# KiCad board 4-ch-backplane.kicad_pcb (continued)
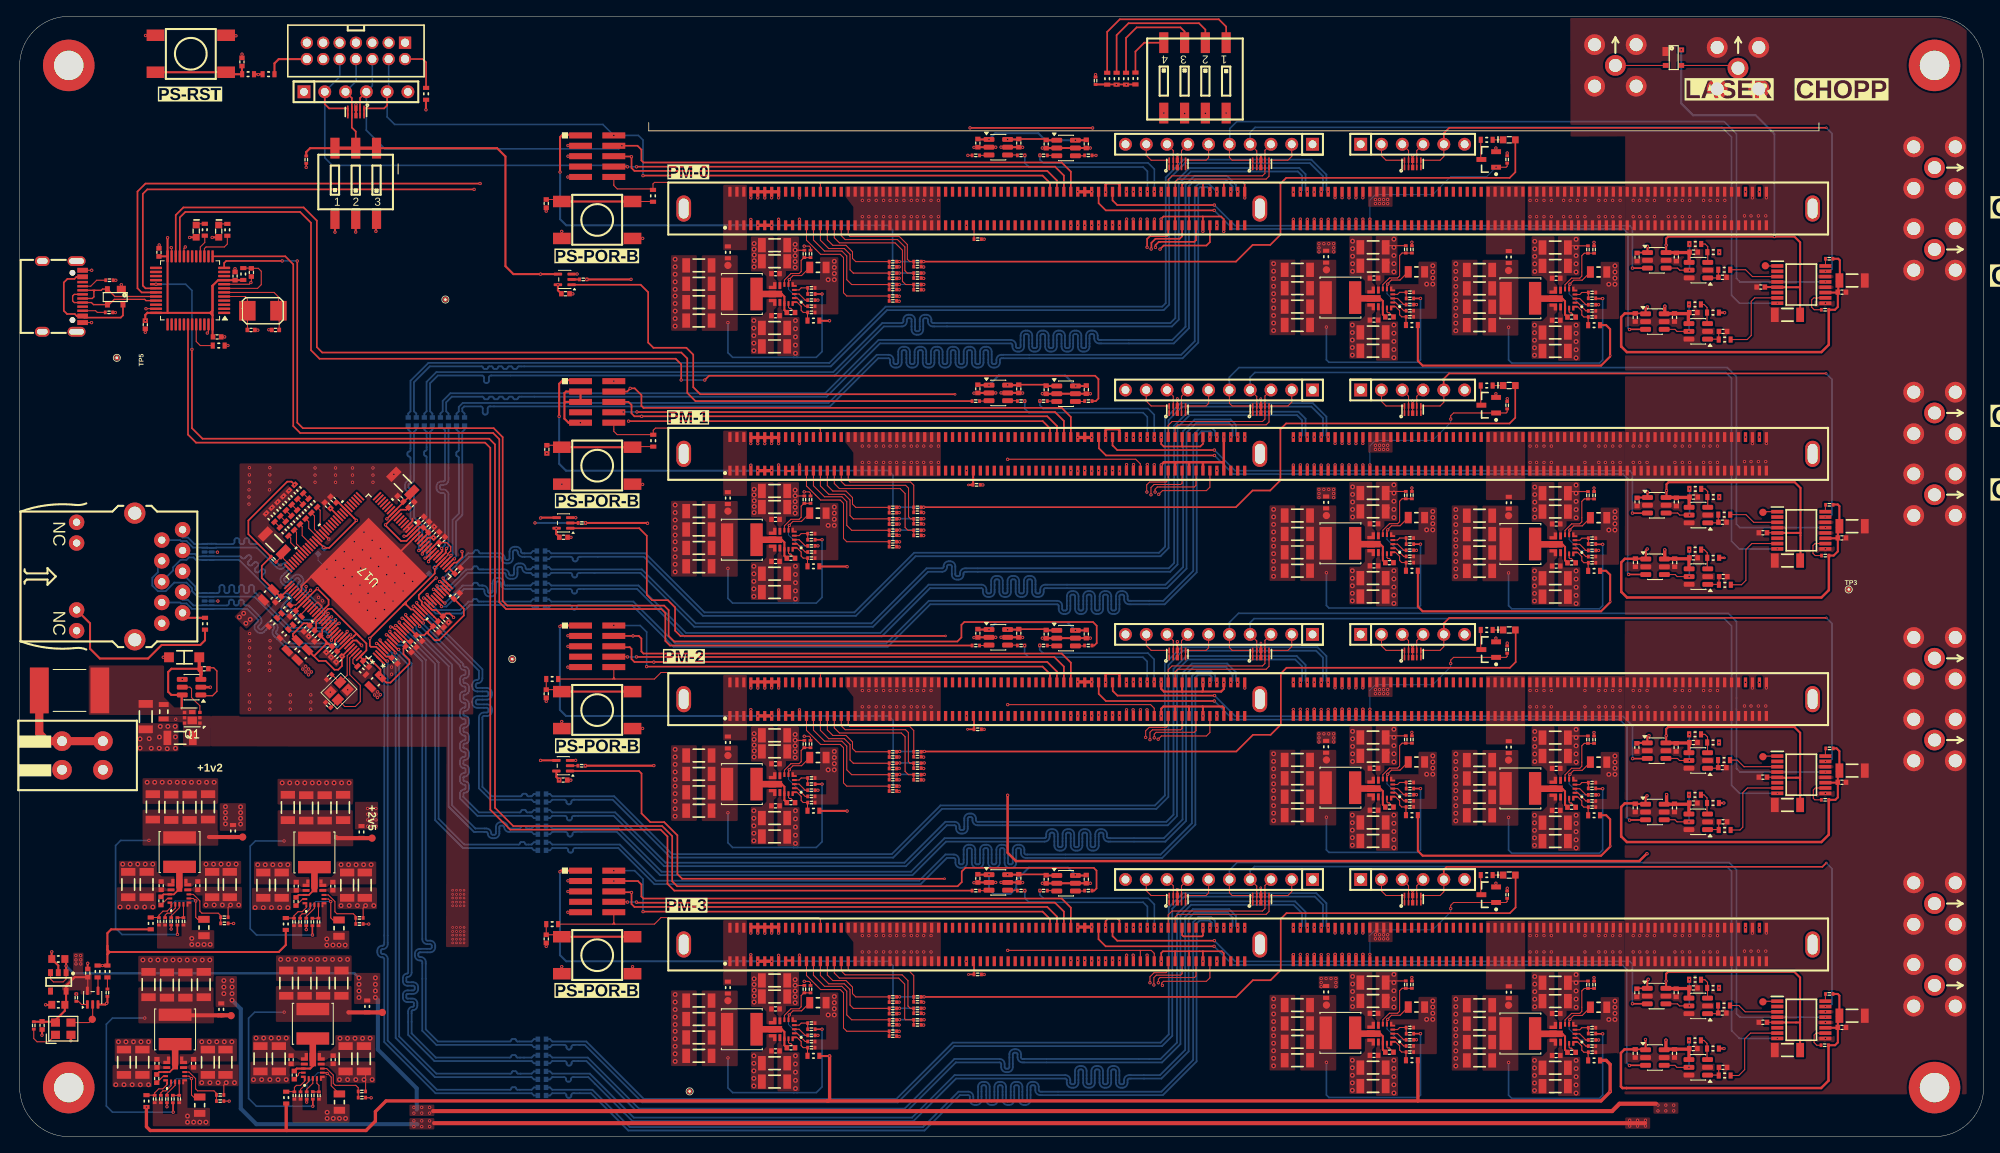
[diagram p0: board, top side]
## Routing (per net, layer and track width the routed paths; a pad name or vN(x,y) marks a point on that pad's centre or on a via; arc(x,y) is an arc through that point) (continued)
/TOP_LEVEL_IO/SPEEDY_PM__INST/PWR/TPS543620_BUCK_2V4/MODE: length 2.1
  Top Layer w0.12: R69.2 169.14,101.01 168.14,102.01 U19.2
/TOP_LEVEL_IO/SPEEDY_PM__INST/PWR/TPS543620_BUCK_5V0_CONN/FB: length 2.5
  Top Layer w0.12: R59.1 R62.2 95.5,103.8 95.25,103.55 U21.4
/TOP_LEVEL_IO/SPEEDY_PM__INST/PWR/TPS543620_BUCK_5V0_CONN/L+: length 5.8
  Top Layer w0.25: C92.1 93.45,101.08 U21.13 93.45,102.72 93.13,103.05 U21.10
  Top Layer w0.8: U21.10 89.8,103.05
/TOP_LEVEL_IO/SPEEDY_PM__INST/PWR/TPS543620_BUCK_5V0_CONN/L-: length 23.6
  Top Layer w0.2: R59.2 v1(98.05,103.05)
  Bottom Layer w0.2: v1(86.55,99.55) 86.55,95.87 87.12,95.3 94.59,95.3 94.59,95.3 95.01,95.3 95.01,95.3 97.35,95.3 98.05,96 v1(98.05,103.05)
/TOP_LEVEL_IO/SPEEDY_PM__INST/PWR/TPS543620_BUCK_5V0_CONN/MODE: length 2.1
  Top Layer w0.12: U21.2 95,102.55 96,101.55 R88.2
/TOP_LEVEL_IO/SPEEDY_PM__INST/PWR/TPS543620_BUCK_5V0_PGA/FB: length 2.5
  Top Layer w0.12: U20.4 190.65,102.98 190.9,103.24 R61.2 191.7,102.49
/TOP_LEVEL_IO/SPEEDY_PM__INST/PWR/TPS543620_BUCK_5V0_PGA/L+: length 5.8
  Top Layer w0.25: U20.10 188.52,102.49 188.85,102.16 U20.13 188.85,100.52 C80.1
  Top Layer w0.8: U20.10 185.2,102.49
/TOP_LEVEL_IO/SPEEDY_PM__INST/PWR/TPS543620_BUCK_5V0_PGA/L-: length 24.2
  Top Layer w0.2: 192.6,102.49 v1(193.45,102.49)
  Bottom Layer w0.2: v1(193.45,102.49) 193.45,94.99 193.06,94.6 182.33,94.6 181.95,94.99 v1(181.95,98.99)
/TOP_LEVEL_IO/SPEEDY_PM__INST/PWR/TPS543620_BUCK_5V0_PGA/MODE: length 2.1
  Top Layer w0.12: R76.2 191.4,100.99 190.4,101.99 U20.2
/TOP_LEVEL_IO/SPEEDY_PM__INST/SPI_CS/MIO1: length 13.7
  Top Layer w0.12: J7.14 97.85,109.63 98.88,108.6 100.78,108.6 101.47,107.9 101.47,106 101.88,105.6 101.88,105.6 R272.1 R273.1
/TOP_LEVEL_IO/SPEEDY_PM__INST/SPI_DQ0/BOOT_MODE[3]/MIO2: length 11.6
  Top Layer w0.12: R248.1 R244.1 102.17,107 101.78,107.4 101.78,108.2 100.97,109 99.38,109 98.7,109.68 J7.15
/TOP_LEVEL_IO/SPEEDY_PM__INST/SPI_DQ1/BOOT_MODE[1]/MIO3: length 15.6
  Top Layer w0.12: R271.1 R270.1 101.67,104.2 101.07,104.8 101.07,107.7 100.47,108.3 98.35,108.3 97,109.65 J7.13
/TOP_LEVEL_IO/SPEEDY_PM__INST/SPI_DQ2/BOOT_MODE[2]/MIO4: length 18
  Top Layer w0.12: J7.12 96.15,109.7 ; R269.1 R268.1 101.07,102.8 100.68,103.2 100.68,107.5 100.28,107.9 97.88,107.9 97.28,108.5 96.15,109.62 ; 96.15,109.62 96.15,109.63 96.15,109.7 ; 96.15,109.62 96.15,109.7
/TOP_LEVEL_IO/SPEEDY_PM__INST/SPI_DQ3/BOOT_MODE[0]/MIO5: length 14.3
  Top Layer w0.12: J7.17 100.4,110.18 100.88,109.7 107.28,109.7 108.18,108.8 108.18,105.9 108.47,105.6 R260.1 R261.1
/TOP_LEVEL_IO/SPEEDY_PM__INST/SPI_SCK/BOOT_MODE[4]/MIO6: length 16.5
  Top Layer w0.12: J7.16 99.55,109.93 100.18,109.3 106.97,109.3 107.88,108.4 107.88,104.6 108.27,104.2 R252.1 R253.1
/TOP_LEVEL_IO/SPEEDY_PM__INST/SPI_SCLK_FB/VMODE[1]/MIO8: length 12.2
  Top Layer w0.12: J7.18 101.25,110.33 101.47,110.1 107.47,110.1 108.47,109.1 108.47,107.3 108.77,107 R292.1 R293.1
/TOP_LEVEL_IO/SPEEDY_PM__INST/TRIGGER_IN_0: length 20.9
  Top Layer w0.12: J16.9 137.67,120 138.27,119.4 D6.10 D6.1
  In1.Cu w0.2: v1(129.3,111.45) 129.3,112.32 129.82,112.85 131.78,112.85 132.22,113.3 132.22,117.3 134.78,119.85 136.7,119.85 137.67,120.82 J16.9
/TOP_LEVEL_IO/SPEEDY_PM__INST/TRIGGER_IN_1: length 20
  Top Layer w0.12: D6.2 D6.9 140.98,120.59 J16.8
  In1.Cu w0.2: v1(131,111.45) 131,112.1 131.3,112.4 132.43,112.4 133.2,113.17 133.2,117.42 135.05,119.27 139.3,119.27 140.21,120.19 J16.8
/TOP_LEVEL_IO/SPEEDY_PM__INST/TRIGGER_OUT_0: length 21.3
  Top Layer w0.12: J16.7 141.98,120.58 D6.7 D6.4
  In1.Cu w0.2: v1(132.7,111.45) 132.7,111.75 133.97,113.02 133.97,117.4 135.38,118.8 142.2,118.8 142.75,119.35 J16.7
  Bottom Layer w0.12: 142.77,121.33 J16.7
/TOP_LEVEL_IO/SPEEDY_PM__INST/TRIGGER_OUT_1: length 25.1
  Top Layer w0.12: D6.5 D6.6 144.98,119.4 145.29,119.72 J16.6 ; 134.41,111.46 v1(134.4,111.45)
  In1.Cu w0.2: v1(134.4,111.45) 134.4,117.2 135.47,118.27 144.35,118.27 145.29,119.22 J16.6
/TOP_LEVEL_IO/SPEEDY_PM__INST/TTC0_IN: length 19.4
  Top Layer w0.12: J16.2 155.45,119.88 154.98,119.4 D5.6 D5.5 152.68,117.45 152.32,117.1 141.52,117.1 141.2,116.78 J7.209
/TOP_LEVEL_IO/SPEEDY_PM__INST/TTC0_OUT: length 17.5
  Top Layer w0.12: J7.208 140.35,117.02 140.82,117.5 151.88,117.5 152.18,117.8 D5.4 D5.7 152.18,120.62 J16.3
/TOP_LEVEL_IO/SPEEDY_PM__INST/UART_LS/RX_OUT: length 17.7
  Bottom Layer w0.2: v1(138.66,115.57) 138.66,118.32 137.9,119.07 125.09,119.07 124.69,119.47 v1(124.69,120.02)
/TOP_LEVEL_IO/SPEEDY_PM__INST/UART_LS/TX_IN: length 18.8
  Top Layer w0.12: 122.84,120.02 v1(122.84,119.99)
  Bottom Layer w0.2: v1(122.84,119.99) 122.84,119.07 123.34,118.57 137.29,118.57 137.81,118.05 v1(137.81,115.57)
/TOP_LEVEL_IO/TCK: length 378.4
  Top Layer w0.2: 128.46,25.55 128.46,28 127.34,29.12 76.23,29.12 75.98,29.37 75.98,30.83 75.56,31.26 v1(72.61,31.26) 72.68,31.18 ; 128.46,55.51 128.46,57.96 127.34,59.08 76.23,59.08 75.98,59.33 75.98,60.92 75.66,61.23 v1(74.96,61.23) J37.4 ; 128.45,85.55 128.45,88 127.34,89.12 76.23,89.12 75.98,89.37 75.98,90.69 75.16,91.51 v1(74.6,91.51) 74.6,91.48 74.25,91.12 J15.4 ; D4.9 D4.2 41.59,127 J24.4 ; v1(73.59,121.18) 75.5,121.18 75.98,120.7 75.98,119.38 76.23,119.13 127.34,119.13 128.45,118.01 128.45,115.56 ; 73.61,61.13 73.6,61.14
  In1.Cu w0.25: v1(72.61,31.26) 74.44,31.26 74.44,31.26 74.95,31.78 74.95,61.23 v1(74.96,61.23) 74.96,91.16 v1(74.6,91.51) 74.6,91.54 73.57,92.57 73.57,121.16 v1(73.59,121.18)
  Bottom Layer w0.2: J2.6 43.09,128.5 J24.4 42.37,123.07 44.63,120.8 73.22,120.8 73.59,121.17
/TOP_LEVEL_IO/TDI_0: length 113.1
  Top Layer w0.12: 74.25,118.63 v1(74.28,118.6)
  Top Layer w0.2: 75.38,118.61 75.39,118.62 126.52,118.62 127.6,117.54 127.6,115.56 ; J24.2 37.28,126.28 37.81,125.75 D4.5 D4.6 ; J13.8 74.25,118.63
  Bottom Layer w0.2: J2.10 39.12,131.75 39.12,129.6 J24.2 37.28,119.71 38.22,118.78 74.1,118.78 v1(74.28,118.6) v1(75.38,118.6)
/TOP_LEVEL_IO/TDI_1: length 184.7
  Top Layer w0.12: J15.8 73.69,88.58 73.72,88.62 v1(73.76,88.62)
  Top Layer w0.2: 75.38,88.6 75.39,88.61 126.52,88.61 127.6,87.53 127.6,85.55 ; 126.75,115.55 126.75,116.92 125.58,118.1 75.13,118.1 74.77,118.46 74.77,119.83 74.74,119.86 72.61,119.86
  Top Layer w0.25: v1(69.32,104.83) 74.71,104.83 v1(74.72,104.84) ; v1(43.53,110.71) 43.53,112.2 43.61,112.27
  In1.Cu w0.12: 74.72,119.83 74.73,119.82 ; 74.73,104.86 v1(74.72,104.84)
  In1.Cu w0.25: v1(43.53,110.71) 43.53,107.06 43.91,106.68 68.74,106.68 68.75,106.69 69.32,106.12 v1(69.32,104.83) ; 74.73,119.82 74.73,104.86 ; v1(75.44,88.62) 75.44,104.12 v1(74.72,104.84)
  Bottom Layer w0.2: v1(73.76,88.62) v1(75.44,88.62)
  vias: v1(74.76,119.83)
/TOP_LEVEL_IO/TDI_2: length 216.6
  Top Layer w0.12: v1(74.28,58.66) 74.25,58.69 J37.8
  Top Layer w0.2: J15.6 74.4,89.85 74.77,89.48 74.77,88.45 75.13,88.09 v1(76.01,88.09) 125.58,88.09 126.75,86.91 126.75,85.54 ; 127.6,55.51 127.6,57.49 126.43,58.66 75.48,58.66
  Top Layer w0.25: v1(76.72,75.01) 76.69,75.05 v1(69.16,75.05) ; v1(41.06,110.62) 41.06,112.27 J1.3
  In1.Cu w0.25: v1(62.97,75.05) 62.97,75.74 62.97,75.75 62.97,104.37 61.38,105.95 42.51,105.95 41.09,107.37 41.09,110.59 v1(41.06,110.62) ; v1(75.38,58.66) 76.15,58.66 76.72,59.24 v1(76.72,75.01) 76.72,87.38 v1(76.01,88.09)
  Bottom Layer w0.2: v1(74.28,58.66) v1(75.38,58.66)
  Bottom Layer w0.25: v1(62.97,75.05) v1(69.16,75.05)
/TOP_LEVEL_IO/TDI_3: length 249.4
  Top Layer w0.12: v1(74.28,28.69) 74.25,28.72 J40.8
  Top Layer w0.2: 75.38,28.6 75.39,28.61 126.52,28.61 127.6,27.53 127.6,25.55 ; 126.75,55.5 126.75,56.87 125.58,58.05 75.13,58.05 74.77,58.41 74.77,59.65 74.57,59.85 72.61,59.85
  Top Layer w0.25: J1.1 38.53,112.27 v1(38.53,110.61) ; v1(77.5,45.38) 77.49,45.36 v1(69.12,45.36)
  In1.Cu w0.12: v1(77.5,45.38) 77.5,45.39
  In1.Cu w0.25: v1(38.53,110.61) 38.53,106.8 40.35,104.98 60.94,104.98 62.31,103.61 62.31,46.18 62.31,46.17 63.12,45.36 v1(69.12,45.36) ; v1(77.5,45.38) 77.5,29.7 76.49,28.69 v1(75.38,28.69) ; 77.5,45.39 v1(77.5,58.03)
  Bottom Layer w0.2: v1(74.28,28.69) v1(75.38,28.69)
/TOP_LEVEL_IO/TDO_3: length 184.2
  Top Layer w0.2: 126.75,25.54 126.75,26.91 125.58,28.09 75.13,28.09 74.77,28.45 v1(74.77,29.86) 74.77,29.89 72.61,29.89 ; 35.03,119.06 35.01,119.04 v1(35.01,118.53)
  In1.Cu w0.25: v1(35.01,118.53) 34.99,118.5 34.99,105.38 36.38,103.99 60.31,103.99 61.04,103.25 61.04,40.75 61.56,40.24 67.64,40.24 68.54,39.34 68.54,30.45 69.13,29.86 v1(74.77,29.86)
/TOP_LEVEL_IO/TDO_JTAG: length 121.3
  Top Layer w0.12: 65.62,46.04 U41.4
  Top Layer w0.2: J1.4 41.07,122.92 40.59,123.4 D4.7 D4.4 40.59,127 J24.3
  Top Layer w0.25: 43.61,120.88 58.34,120.88 59.37,119.86 59.37,106.45 60.34,105.48 v1(63.66,105.48) U39.4 ; U40.4 63.71,75.7 v1(63.66,75.65) ; v1(63.66,46.01) 63.66,46.02 65.59,46.02 ; J1.2 35.49,120.88 35,120.39 35.03,120.38 R321.2
  Top Layer w0.4: 43.61,121.18 43.31,120.88 38.83,120.88 38.53,121.18
  In1.Cu w0.25: v1(63.66,46.01) v1(63.66,105.48)
  Bottom Layer w0.2: J24.3 41.12,129.06 41.12,131.75 J2.8
/TOP_LEVEL_IO/TMS: length 364.8
  Top Layer w0.12: v1(72.61,62.53) J37.2
  Top Layer w0.2: 125.91,55.51 125.91,56.57 125,57.48 v1(76.62,57.48) ; 76.16,117.53 125,117.53 125.91,116.62 125.91,115.56 ; J24.5 44.91,126.11 44.54,125.75 D4.1 D4.10 ; v1(74.41,87.5) 125.02,87.5 125.91,86.61 125.91,85.55 ; 125.91,25.55 125.91,26.61 125,27.52 v1(76.18,27.52)
  In1.Cu w0.12: 72.61,92.48 72.59,92.47 72.61,92.46 v1(72.61,92.39) ; v1(72.61,62.53) 72.65,62.49
  In1.Cu w0.2: 72.61,87.51 72.62,87.5 72.93,87.5 ; 72.61,87.17 72.93,87.49 72.93,87.5 ; 72.93,87.5 72.93,87.51 72.61,87.83 ; 72.93,87.5 v1(74.41,87.5)
  In1.Cu w0.25: v1(72.61,32.53) v1(72.61,62.53) v1(72.61,92.39) ; v1(72.61,122.44) 72.61,92.48
  Bottom Layer w0.2: v1(72.61,62.53) 72.63,62.5 75.84,62.5 76.62,61.71 76.62,57.49 v1(76.62,57.48) ; J2.4 45.09,127.96 J24.5 44.91,124.7 45.82,123.78 71.27,123.78 v1(72.61,122.44) 75.6,122.44 76.18,121.87 v1(76.18,117.52) ; v1(76.18,27.52) 76.18,27.52 76.18,31.5 75.15,32.53 v1(72.61,32.53)
/TOP_LEVEL_IO/TXD_OUT_0: length 142.3
  Top Layer w0.12: v1(131.53,119.99) 131.51,120 R304.1 ; v1(131.12,123.35) 131.1,123.36
  Top Layer w0.2: U42.30 15.38,103.74 15.05,104.07 15.05,115.29 15.6,115.84 v1(55.53,115.84) ; 131.1,123.36 v1(116.13,123.36)
  In1.Cu w0.2: v1(55.53,115.84) 55.53,123.31 57.1,124.88 79.56,124.88 80.38,124.06 80.38,123.63 80.66,123.36 v1(116.13,123.36)
  In1.Cu w0.25: v1(131.53,119.99) 131.53,122.81 131.12,123.22 v1(131.12,123.35)
/TOP_LEVEL_IO/TXD_OUT_1: length 139.9
  Top Layer w0.12: v1(80.84,92.53) 80.84,92.66 80.82,92.68
  Top Layer w0.2: v1(80.84,92.53) 80.84,94.45 80.16,95.13 36.65,95.13 35.6,96.17 35.6,111.75 34.28,113.08 20.25,113.08 19.57,112.41 U42.21 ; v1(83.72,92.52) 84.25,93.05 131.43,93.05 131.84,92.64 131.82,92.63 131.82,90.27 131.5,89.95 R309.1
  Bottom Layer w0.2: v1(80.84,92.53) 82.6,92.53 82.62,92.52 v1(83.72,92.52)
/TOP_LEVEL_IO/TXD_OUT_2: length 156.7
  Top Layer w0.2: v1(33.93,107.08) 33.93,87.32 34.6,86.64 57.93,86.64 59.03,85.54 59.03,65.51 59.59,64.94 78.75,64.94 79.31,64.39 79.31,61.23 79.99,60.55 114.59,60.55 115.09,61.05 115.09,62.58 115.44,62.93 131.16,62.93 131.62,62.48 131.62,60.36 131.32,60.06 R313.1 ; U42.12 24.99,106.83 25.25,107.09 v1(32.09,107.09)
  Bottom Layer w0.12: 33.91,107.1 v1(33.93,107.08)
  Bottom Layer w0.2: 32.09,107.1 33.91,107.1
/TOP_LEVEL_IO/TXD_OUT_3: length 189.2
  Top Layer w0.12: U42.29 v1(16.66,104.24)
  Top Layer w0.2: v1(21.06,96.27) 21.06,86.64 22.34,85.35 57.38,85.35 58.09,84.65 58.09,40.22 60.32,37.98 78.51,37.98 79.75,36.75 79.75,31.22 80.34,30.62 114.62,30.62 115.12,31.13 115.12,32.43 115.56,32.87 131.25,32.87 131.59,32.53 131.59,30.36 131.32,30.09 R317.1
  Bottom Layer w0.2: v1(16.66,104.24) 20.28,104.24 21.06,103.47 v1(21.06,96.27)
Net-(C154-1-Pad2): length 11.7
  Top Layer w0.25: SW8.B SW8.B 25.47,129.93 R45.2 27.16,129.95 C154.2
Net-(C168-1-Pad2): length 63.4
  Top Layer w0.12: U17.3 44.2,59.26
  Top Layer w0.15: U17.36 52.34,71.13 52.34,71.28 52.68,71.61 52.68,72.15 52.18,72.65 C168.2
  Top Layer w0.2: 35.92,58.8 35.76,58.95 FB2.2 ; 35.92,58.8 36,58.8 37.44,60.24 ; 35.92,58.8 35.93,58.8 36.55,58.17 37.4,58.17 38.47,57.1 38.93,57.1 39.39,57.56 C174.2 v1(39.39,58.75) 40.46,59.82 U17.124 ; 49.86,61.59 49.71,61.59 ; 49.86,61.59 49.91,61.54 ; 49.86,61.59 49.86,61.74 ; 49.71,61.59 49.79,61.66 ; 49.71,61.59 49.44,61.32 C176.2 ; U17.114 36.98,62 36.98,61.98 36.97,61.97 36.97,61.53 C177.2 ; 51.93,66.89 U17.30 51.88,66.89 53,65.77 C178.2 53.08,65.77 54.28,64.57 54.28,63.72 51.25,60.7 50.82,60.7 ; C177.2 37.77,60.24 ; C177.2 37.44,60.57 37.44,60.24 ; 50.82,60.7 50.75,60.7 49.91,61.54 ; 50.82,60.7 50.72,60.7 ; 43.74,59.73 43.57,59.9 42.93,59.9 42.79,60.04 v1(42.79,60.94) 46.88,65.03 ; 49.91,61.54 49.79,61.66 ; 49.79,61.66 49.86,61.74 ; 37.44,60.24 37.77,60.24 ; 37.77,60.24 38.06,59.94 C175.2 38.52,60.3 38.53,60.7 39.05,61.22 U17.119 ; 47.21,65.09 47.21,65.36 ; 47.21,65.09 46.94,65.09 46.88,65.03 ; 47.21,65.09 47.83,64.47 48.08,64.47 U17.19 49.34,63.21 49.71,63.21 C173.2 50.52,62.4 49.86,61.74 ; 47.21,65.09 47.09,65.21 47.09,65.24 ; 47.21,65.36 47.09,65.24 ; 47.21,65.36 50.72,68.88 v1(50.72,69.6) 50.81,69.6 U17.36 ; 47.09,65.24 46.88,65.03 ; U17.3 44.8,58.7 45.32,58.7 C172.2 ; U17.41 51.02,72.65 C168.2 ; 48.24,61.5 47.38,62.37 U17.14
  In1.Cu w0.2: v1(42.79,60.94) 41.58,60.94 v1(39.39,58.75)
Net-(C170-1-Pad2): length 13.6
  Top Layer w0.12: SW6.B 77.36,114.36 77.4,114.32 ; 65.94,114.67 SW6.B 66.02,114.6 C170.2
  Top Layer w0.25: SW6.B SW6.B
Net-(C171-1-Pad2): length 13.6
  Top Layer w0.12: 65.94,84.62 SW7.B 66.02,84.55 C171.2 ; SW7.B 74.97,84.38 R4.1
  Top Layer w0.25: SW7.B SW7.B
Net-(C179-1-Pad2): length 76.6
  Top Layer w0.12: 47.52,60.51 47.61,60.51 ; U17.104 34.81,65.48 ; U17.23 49.81,64.91 ; 38.68,77.59 C184.2
  Top Layer w0.2: v1(45.32,62.32) 45.56,62.32 45.79,62.09 45.93,62.09 U17.11 47.47,60.55 C183.2 ; U17.84 36.29,72.94 37.22,72 ; 37.22,72 v1(37.18,72.05) ; 37.22,72 37.82,72 41.14,75.32 v1(41.14,75.37) 40.86,75.66 40.85,75.66 U17.71 38.96,77.55 C184.2 ; U17.104 36.33,67 36.38,67 v1(36.39,67.01) 36.39,66.99 36.35,66.95 36.45,66.95 37.75,65.65 37.75,65.05 36.5,63.8 U17.110 35.92,63.2 35.92,63 35.43,62.51 C180.2 35.42,62.48 35.12,62.78 34.7,62.78 33.4,61.47 33.4,61.21 FB3.2 ; C185.2 49.35,74.5 C179.2 48.91,74.5 U17.48 47.27,72.85 46.6,72.85 44.68,74.78 44.68,74.78 v1(44.71,74.82) U17.56 46.56,76.67 47.26,76.67 C182.2 ; v1(53.03,63.5) 52.55,63.97 52.09,63.97 C186.2 50.93,64.4 50.43,64.4 49.91,64.91 U17.23 ; 49.1,72.99 50,73.89 ; 33.68,64.36 34.77,65.44
  In1.Cu w0.2: v1(41.14,75.37) 42,76.22 43.3,76.22 v1(44.71,74.82) ; v1(53.03,63.5) 52.55,63.97 51.5,63.97 48.03,60.5 47.15,60.5 v1(45.32,62.32) 45,62.65 44.22,62.65 42.96,61.39 42.01,61.39 34.6,68.8 34.6,69.47 v1(37.18,72.05)
Net-(C188-1-Pad2): length 74.2
  Top Layer w0.12: 49.62,64.61 U17.22 ; 41.72,58.2 41.87,58.05
  Top Layer w0.2: U17.44 49.93,73.25 v1(50.57,73.25) ; C193.2 51.12,63.1 50.64,63.59 50.37,63.85 ; U17.10 47.17,60.29 C194.2 46.9,59.68 46.9,59.03 47.62,58.3 47.62,57.82 45.32,55.53 44.81,55.53 v1(44.09,56.24) 44.09,57.13 42.72,58.5 42.32,58.5 C189.2 41.97,58.31 U17.128 42.38,59.47 42.38,60.3 38.12,64.55 37.69,64.55 37.26,64.12 37.26,63.97 U17.111 36.22,62.94 36.22,62.07 C190.2 ; 50.37,63.85 49.14,65.08 49.14,65.43 48.78,65.8 48.78,66.22 50.88,68.32 v1(50.9,68.32) ; 50.37,63.85 49.62,64.61 ; 39.9,60.37 U17.122 40.47,60.96 40.61,60.96 40.85,61.19 40.85,61.2 41.16,61.51 41.53,61.15 ; v1(54.05,71.55) 54.1,71.5 54.1,70.9 53.4,70.2 53.1,70.2 52.45,69.55 U17.33 53.04,68.95 53.27,68.95 ; 39.83,60.33 38.82,59.32
  In1.Cu w0.2: 51.65,69.07 51.75,69.17 ; 51.65,69.07 51.65,69.05 51.75,68.95 ; 51.65,69.07 51.53,68.95 ; 51.75,69.17 52.63,70.05 53.1,70.05 54.05,71 v1(54.05,71.55) 51.57,74.03 51.35,74.03 v1(50.57,73.25) ; 51.75,69.17 51.75,68.95 ; 51.75,68.95 51.53,68.95 ; 51.75,68.95 55.39,65.31 55.39,64.69 46.22,55.53 44.81,55.53 v1(44.09,56.24) ; v1(50.9,68.32) 51.53,68.95
Net-(C222-1-Pad2): length 12.4
  Top Layer w0.12: R153.1 C222.2 66.02,54.66 SW11.B 65.94,54.74
  Top Layer w0.25: SW11.B SW11.B
Net-(C267-1-Pad2): length 12.4
  Top Layer w0.12: R191.1 64.35,25.99 C267.2 66.02,24.69 SW13.B 65.94,24.76
  Top Layer w0.25: SW13.B SW13.B
Net-(D14-PadC): length 1.3
  Top Layer w0.12: R26.2 D14.C
Net-(D15-PadC): length 1.3
  Top Layer w0.12: R27.2 D15.C
Net-(D18-PadC): length 1.3
  Top Layer w0.12: R151.2 D18.C
Net-(D21-PadC): length 1.3
  Top Layer w0.12: R189.2 D21.C
Net-(D34-PadC): length 1.1
  Top Layer w0.12: D34.C 24.46,111.62 R301.2
Net-(D35-PadC): length 1.1
  Top Layer w0.12: R302.2 21.72,111.63 D35.C
Net-(J6-VCC): length 3
  Top Layer w0.12: 20.51,63.45 J6.9
  Top Layer w0.25: R96.1 20.51,63.45
Net-(Q4-D): length 2.4
  Top Layer w0.12: 178.55,121.9 178.55,119.57 Q4.3
Net-(Q5-D): length 2.4
  Top Layer w0.12: 178.55,91.85 178.55,89.53 Q5.3
Net-(Q6-D): length 2.4
  Top Layer w0.12: Q6.3 178.55,59.64 178.55,61.96
Net-(Q7-D): length 2.4
  Top Layer w0.12: Q7.3 178.55,29.66 178.55,31.99
Net-(R68-Pad2): length 1.4
  Top Layer w0.12: R68.2 R71.1
Net-(R133-Pad2): length 0.8
  Top Layer w0.12: R141.1 R133.2
Net-(R134-Pad2): length 1
  Top Layer w0.12: R134.2 R142.1
Net-(R135-Pad2): length 1
  Top Layer w0.12: R135.2 R143.1
Net-(R136-Pad2): length 1
  Top Layer w0.12: R136.2 R144.1
Net-(R137-Pad2): length 1
  Top Layer w0.12: R137.2 R145.1
Net-(R138-Pad2): length 1
  Top Layer w0.12: R138.2 R146.1
Net-(R139-Pad2): length 0.8
  Top Layer w0.12: R139.2 R147.1
Net-(R148-Pad1): length 1
  Top Layer w0.12: R148.1 R149.2
Net-(SW1-A1): length 22.5
  Top Layer w0.12: 147.43,133.79 SW1.1
  Top Layer w0.2: R235.1 132.9,135.1 134.44,136.64 146.54,136.64 147.44,135.74 SW1.1
Net-(SW1-A2): length 18
  Top Layer w0.2: R236.1 134.05,134.7 135.5,136.16 144.12,136.16 144.89,135.38 SW1.3
Net-(SW1-A3): length 13.5
  Top Layer w0.2: R237.1 135.2,134.35 136.5,135.65 141.85,135.65 142.36,135.14 SW1.5
Net-(SW1-A4): length 6.5
  Top Layer w0.2: SW1.7 137.43,133.78 136.35,132.7 R238.1
Net-(U1-ANODE): length 14
  Top Layer w0.12: 21.76,58.47 22.21,58.92
  Top Layer w0.25: U1.6 18.53,54.02 18.15,54.4 18.15,56.82 18.55,57.22 C127.2
  Top Layer w0.3: 19.81,53.77 19.81,52.37
  Top Layer w0.4: D1.2 21.95,57.07 22.15,56.88 22.15,56.57 ; U1.3 22.15,56.57 ; 22.15,56.57 22.15,57.35
Net-(U1-VCAP): length 5.7
  Top Layer w0.15: 23.1,57.34 23.71,57.34 24.1,56.95 24.1,54.46 23.57,53.92 22.27,53.92
Net-(U2-BOOT): length 1.4
  Top Layer w0.12: U2.14 34.57,29.06 C117.1
Net-(U2-EN): length 6.6
  Top Layer w0.12: R32.2 41.07,26.96 40.77,27.26 38.77,27.26 38.52,27.51 38.52,28.76 37.72,29.56 U2.7
Net-(U2-PGOOD): length 2.1
  Top Layer w0.12: U2.3 36.02,27.93 35.02,26.93 R98.2
Net-(U2-SYNC/FSEL): length 3.5
  Top Layer w0.12: U2.1 35.03,28.02 34.52,27.51 34.02,27.51 33.52,27.01 R75.2 33.5,26.73 R104.2
Net-(U3-BOOT): length 1.4
  Top Layer w0.12: C129.1 18.07,29.13 U3.14
Net-(U3-EN): length 6.6
  Top Layer w0.12: U3.7 21.22,29.63 22.02,28.83 22.02,27.58 22.27,27.33 24.27,27.33 24.57,27.03 R33.2
Net-(U3-PGOOD): length 2.1
  Top Layer w0.12: U3.3 19.52,28 18.52,27 R99.2
Net-(U3-SYNC/FSEL): length 3.5
  Top Layer w0.12: R110.2 17,26.8 R87.2 17.02,27.08 17.52,27.58 18.02,27.58 18.53,28.09 U3.1
Net-(U4-B): length 6.4
  Top Layer w0.12: U4.4 202.27,98.72 202.52,98.47 v1(203.99,98.47)
  Bottom Layer w0.2: 204,101.77 204,98.48
  vias: v1(204,101.77)
Net-(U5-+): length 2.9
  Top Layer w0.12: R18.1 205.96,109.16 206.29,108.84 U5.3
Net-(U5--): length 2.3
  Top Layer w0.12: U5.1 207.51,105.01 C330.2 207.58,105.1 R227.2 ; 207.64,105.89 207.66,105.91
Net-(U5-OUT): length 6.1
  Top Layer w0.12: U8.4 202.61,106.21 202.86,105.96 U5.5 ; R18.2 v1(204.06,109.16)
  Bottom Layer w0.2: v1(204.06,105.96) v1(204.06,109.16)
Net-(U7-+): length 2.9
  Top Layer w0.12: R19.1 205.96,79.21 206.29,78.89 U7.3
Net-(U7--): length 2.3
  Top Layer w0.12: U7.1 207.51,75.06 C331.2 207.58,75.15 R228.2 ; 207.64,75.94 207.66,75.96
Net-(U7-OUT): length 6.1
  Top Layer w0.12: R19.2 v1(204.06,79.21) ; U7.5 202.86,76.01 202.61,76.26 U9.4
  Bottom Layer w0.2: 204.06,76.01 204.06,79.21
  vias: v1(204.06,76.01)
Net-(U13-Y): length 1.7
  Top Layer w0.12: U13.4 9.58,19.42 R70.1
Net-(U13-~{OE}): length 1.5
  Top Layer w0.12: U13.1 7.56,16.16 7.17,16.55 R16.1
Net-(U17A-ISET): length 2
  Top Layer w0.12: 41.21,57.41 40.72,57.9 40.72,58.39 U17.127
Net-(U17A-RESET_N): length 3.6
  Top Layer w0.12: U17.95 33.1,69.83 32.22,70.7 C72.2 32.22,71.16 R13.1
Net-(U17A-XI): length 11.7
  Top Layer w0.12: 37.94,52.38 38.88,53.32 Y2.3 39.72,52.6 41.03,52.6 41.62,53.2 41.62,55.2 40.34,56.49 40.34,58.56 U17.126
Net-(U17A-XO): length 6.1
  Top Layer w0.12: C251.2 39.1,55.56 Y2.1 40.03,56.42 40.03,58.82 U17.125
Net-(U18-BOOT): length 1.4
  Top Layer w0.12: U18.14 17.55,7.4 C141.1
Net-(U18-EN): length 6.6
  Top Layer w0.12: R34.2 24.05,5.3 23.75,5.6 21.75,5.6 21.5,5.85 21.5,7.1 20.7,7.9 U18.7
Net-(U18-PGOOD): length 2.1
  Top Layer w0.12: R107.2 18,5.27 19,6.27 U18.3
Net-(U18-SYNC/FSEL): length 3.5
  Top Layer w0.12: R119.2 16.47,5.07 R94.2 16.5,5.35 17,5.85 17.5,5.85 18.01,6.36 U18.1
Net-(U19-BOOT): length 1.5
  Top Layer w0.12: C68.2 167.37,100.76 167.2,100.76 167.09,100.87 U19.14
Net-(U19-BP5): length 9.5
  Top Layer w0.12: R36.2 v1(170.69,101.76) ; C31.2 168.69,104.76 167.64,104.76 167.09,104.21 U19.6
  Bottom Layer w0.12: v1(170.69,101.76) 168.42,101.76 167.09,103.09 167.09,104.16 v1(167.19,104.26)
Net-(U19-EN): length 7.1
  Top Layer w0.12: R7.2 R37.1 168.94,108.06 168.64,107.76 168.64,105.26 168.39,105.01 167.39,105.01 166.59,104.21 U19.7
Net-(U19-PGOOD): length 1.9
  Top Layer w0.12: R36.1 169.14,101.76 168.39,102.51 U19.3
Net-(U19-SYNC/FSEL): length 3.3
  Top Layer w0.12: R67.2 169.41,100.23 R24.2 168.89,100.26 168.64,100.51 168.64,101.01 168.14,101.51 U19.1
Net-(U20-BOOT): length 1.5
  Top Layer w0.12: C80.2 189.63,100.74 189.46,100.74 189.35,100.85 U20.14
Net-(U20-BP5): length 9.5
  Top Layer w0.12: U20.6 189.35,104.19 189.9,104.74 190.95,104.74 C32.2 ; R46.2 v1(192.95,101.74)
  Bottom Layer w0.12: v1(192.95,101.74) 190.68,101.74 189.35,103.07 189.35,104.14 v1(189.45,104.24)
Net-(U20-EN): length 7.1
  Top Layer w0.12: U20.7 188.85,104.19 189.65,104.99 190.65,104.99 190.9,105.24 190.9,107.74 191.2,108.04 R38.1 R10.2
Net-(U20-PGOOD): length 1.9
  Top Layer w0.12: U20.3 190.65,102.49 191.4,101.74 R46.1
Net-(U20-SYNC/FSEL): length 3.3
  Top Layer w0.12: U20.1 190.4,101.49 190.9,100.99 190.9,100.49 191.15,100.24 R25.2 191.67,100.21 R73.2
Net-(U21-BOOT): length 1.5
  Top Layer w0.12: U21.14 93.95,101.41 94.07,101.3 94.24,101.3 C92.2
Net-(U21-BP5): length 9.5
  Top Layer w0.12: U21.6 93.95,104.75 94.5,105.3 95.55,105.3 C33.2 ; R49.2 v1(97.55,102.3)
  Bottom Layer w0.12: v1(94.05,104.8) 93.95,104.7 93.95,103.63 95.28,102.3 v1(97.55,102.3)
Net-(U21-EN): length 5.6
  Top Layer w0.12: 95.84,107.5 95.5,107.16 95.5,105.8 95.25,105.55 94.25,105.55 93.45,104.75 U21.7 ; R11.2 R39.1
Net-(U21-PGOOD): length 1.9
  Top Layer w0.12: U21.3 95.25,103.05 96,102.3 R49.1
Net-(U21-SYNC/FSEL): length 3.3
  Top Layer w0.12: U21.1 95,102.05 95.5,101.55 95.5,101.05 95.75,100.8 R108.2 96.28,100.77 R86.2
Net-(U22-BOOT): length 1.5
  Top Layer w0.12: C104.2 34.07,7.54 34.07,7.71 34.19,7.82 U22.14
Net-(U22-BP5): length 9.5
  Top Layer w0.12: R50.2 v1(35.07,4.22) ; C34.2 38.07,6.22 38.07,7.28 37.53,7.82 U22.6
  Bottom Layer w0.12: 35.12,4.22 35.12,6.49 36.45,7.82 37.52,7.82 37.62,7.72
  vias: v1(37.57,7.72)
Net-(U22-EN): length 7.1
  Top Layer w0.12: R12.2 R40.1 41.38,5.97 41.07,6.28 38.57,6.28 38.32,6.53 38.32,7.53 37.52,8.33 U22.7
Net-(U22-PGOOD): length 1.9
  Top Layer w0.12: R50.1 35.07,5.78 35.82,6.53 U22.3
Net-(U22-SYNC/FSEL): length 3.3
  Top Layer w0.12: 34.82,6.92 34.82,6.78 34.32,6.28 33.82,6.28 33.57,6.03 R115.2 33.55,5.5 R93.2
Net-(U23-BOOT): length 1.5
  Top Layer w0.12: C164.2 167.37,70.71 167.2,70.71 167.09,70.82 U23.14
Net-(U23-BP5): length 9.5
  Top Layer w0.12: C44.2 168.69,74.71 167.64,74.71 167.09,74.16 U23.6 ; R51.2 v1(170.69,71.71)
  Bottom Layer w0.12: v1(170.69,71.71) 168.42,71.71 167.09,73.04 167.09,74.11 v1(167.19,74.21)
Net-(U23-EN): length 7.1
  Top Layer w0.12: R14.2 R41.1 168.94,78.01 168.64,77.71 168.64,75.21 168.39,74.96 167.39,74.96 166.59,74.16 U23.7
Net-(U23-PGOOD): length 1.9
  Top Layer w0.12: R51.1 169.14,71.71 168.39,72.46 U23.3
Net-(U23-SYNC/FSEL): length 3.3
  Top Layer w0.12: R120.2 169.41,70.18 R116.2 168.89,70.21 168.64,70.46 168.64,70.96 168.14,71.46 U23.1
Net-(U24-BOOT): length 1.5
  Top Layer w0.12: U24.14 189.35,70.8 189.46,70.69 189.63,70.69 C165.2
Net-(U24-BP5): length 9.5
  Top Layer w0.12: U24.6 189.35,74.14 189.9,74.69 190.95,74.69 C45.2 ; R52.2 v1(192.95,71.69)
  Bottom Layer w0.12: v1(189.45,74.19) 189.35,74.09 189.35,73.02 190.68,71.69 v1(192.95,71.69)
Net-(U24-EN): length 7.1
  Top Layer w0.12: R15.2 R42.1 191.2,77.99 190.9,77.69 190.9,75.19 190.65,74.94 189.65,74.94 188.85,74.14 U24.7
Net-(U24-PGOOD): length 1.9
  Top Layer w0.12: R52.1 191.4,71.69 190.65,72.44 U24.3